# Altium PCB bitfury_power.PcbDoc (part 1 of 2) (continued)
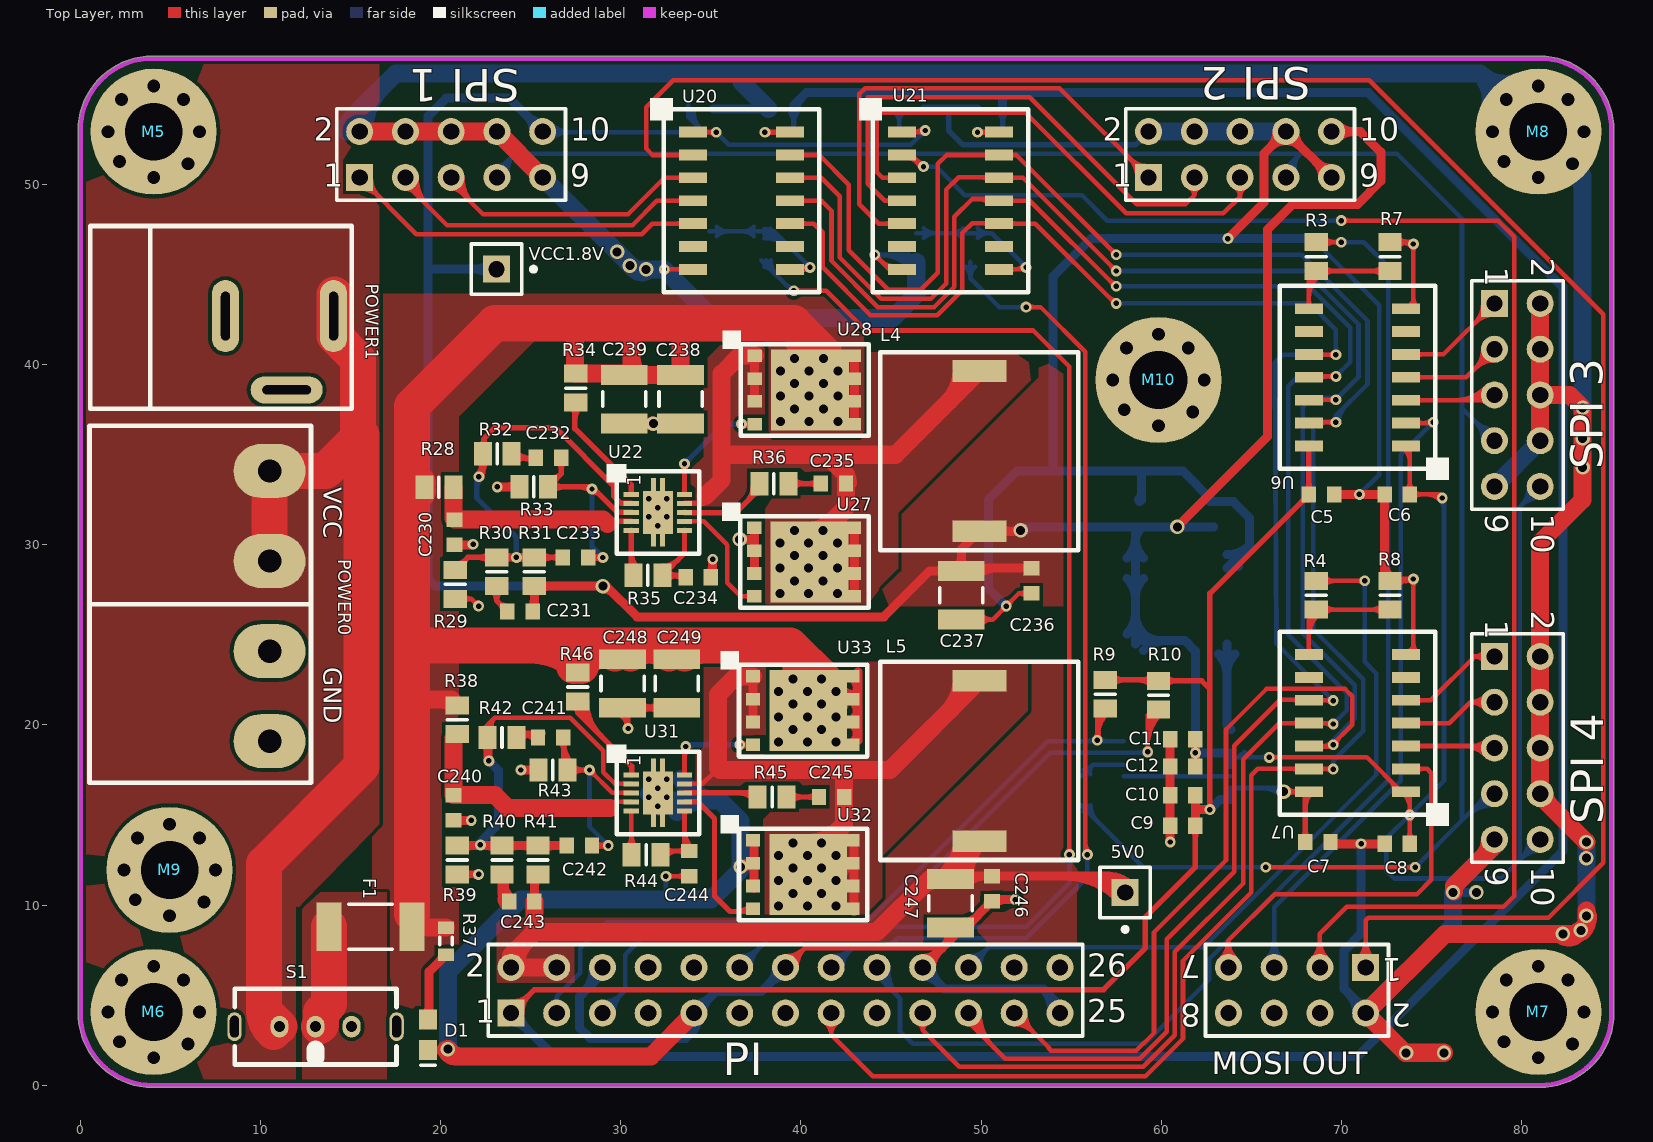
[diagram p0: Top Layer view]
## Nets (pads, with @x,y where several pads share a name; then routed paths per layer and width w, separated by ;. In a path a pad name is that pad's centre, name@x,y a point inside that pad or via, vN(x,y) a via of type N, cw(c..) or ccw(c..) an arc to the next point about the centre after c; other vN are vias at no path point) (continued)
CE2_3V3: PI.18 R3.2 | length 78.7
  Top Layer w0.254: R3.2@68.6,46.8 v2(70,46.8) ; R3.2@69.014,46.536 cw(c69.65,45.9) 69.65,46.8 cw(c69.65,47.7) R3.2@69.014,47.064 ; v2@69.878,46.678 ccw(c69.582,46.382) 69.582,46.8 ccw(c69.582,47.218) v2@69.878,46.922
  Bottom Layer w0.254: PI.18@44.22,5.917 cw(c44.22,5.523) 44.498,5.802 ; PI.18@44.22,6.54 44.22,6.08 45.5,4.8 ; PI.18@44.335,6.534 ccw(c45.555,6.473) 44.691,5.609 ; PI.18@44.589,6.521 ccw(c46.325,6.434) 45.095,5.205 ; PI.18@44.842,6.509 ccw(c47.095,6.395) 45.5,4.8 ; v2(70,46.8) 71.25,46.8 72.6,45.45 72.6,16.933 62.653,6.986 62.653,5.853 59.1,2.3 46.2,2.3 45.5,3 45.5,4.8 ; v2@70.122,46.678 cw(c70.418,46.382) 70.418,46.8 cw(c70.418,47.218) v2@70.122,46.922
CE3_3V3: PI.22 R4.2 | length 47.5
  Top Layer w0.254: R4.2@68.6,28 v2(71.3,28) ; R4.2@69.014,27.736 cw(c69.65,27.099) 69.65,28 cw(c69.65,28.9) R4.2@69.014,28.264 ; v2@71.178,27.878 ccw(c70.882,27.582) 70.882,28 ccw(c70.882,28.418) v2@71.178,28.122
  Bottom Layer w0.254: PI.22@49.3,6.7 PI.22@49.3,6.54 50.41,7.65 62.35,7.65 71.95,17.25 71.95,22.85 71.3,23.5 v2(71.3,28) ; PI.22@49.3,6.909 ccw(c49.3,7.8) 49.93,7.17 ccw(c50.56,6.54) PI.22@49.669,6.54 ; PI.22@49.3,7.163 ccw(c49.3,8.667) 50.364,7.604 ccw(c51.427,6.54) PI.22@49.923,6.54 ; v2@71.178,27.878 cw(c70.882,27.582) 71.3,27.582 cw(c71.718,27.582) v2@71.422,27.878
GND1: "MOSI OUT.2" "MOSI OUT.4" "MOSI OUT.6" "MOSI OUT.8" "SPI 1.2" "SPI 1.4" "SPI 1.6" "SPI 1.8" "SPI 1.9" "SPI 2.2" "SPI 2.4" "SPI 2.6" "SPI 2.8" "SPI 2.9" "SPI 3.2" "SPI 3.4" "SPI 3.6" "SPI 3.8" "SPI 3.9" "SPI 4.2" "SPI 4.4" "SPI 4.6" "SPI 4.8" "SPI 4.9" C1.1 C2.2 C3.1 C4.2 C5.1 C6.2 C7.1 C8.2 C9.1 C10.1 C11.1 C12.1 C13.2 C14.1 C230.1 C234.1 C236.1 C237.1 C238.1 C239.1 C240.1 C244.1 C246.1 C247.1 C248.1 C249.1 D1.2 M5.0 M6.0 M7.0 M8.0 M9.0 M10.0 PI.6 PI.9 PI.14 PI.20 PI.25 POWER0.3 POWER0.4 POWER1.2 POWER1.3 R5.1 R6.1 R7.1 R8.1 R29.1 R33.2 R39.1 R43.2 U2.5 U2.10 U6.7 U7.7 U20.7 U21.7 U22.11 U27.1 U27.2 U27.3 U31.11 U32.1 U32.2 U32.3 XO1.2 | length 596.9
  Top Layer w0.254: D1.2@19.3,1.95 20.35,1.95 v1(20.4,2) ; D1.2@19.564,1.686 cw(c20.2,1.05) 20.2,1.95 cw(c20.2,2.851) D1.2@19.564,2.214 ; D1.2@19.62,1.95 ccw(c19.62,2.78) v1@20.207,2.193 ; D1.2@19.756,1.831 cw(c19.929,1.186) v1@20.263,1.764 ; D1.2@19.77,1.835 ccw(c19.603,2.46) v1@20.164,2.137 ; 19.862,1.95 cw(c19.862,1.462) v1@20.207,1.807 ; 19.917,2.026 ccw(c19.973,2.232) v1@20.16,2.13 ; 19.971,2.012 cw(c19.888,1.705) v1@20.164,1.864 ; R29.1@20.8,27 21.7,27 ; R39.1@20.917,11.7 v2(22.1,11.7) ; R29.1@21.247,26.775 cw(c21.7,26.433) 21.7,27 ; R29.1@21.247,27.225 ccw(c21.7,27.567) 21.7,27 ; R39.1@21.331,11.436 cw(c21.967,10.8) 21.967,11.7 cw(c21.967,12.601) R39.1@21.331,11.964 ; 21.608,11.604 cw(c21.746,11.087) v2@22.013,11.55 ; 21.608,11.796 ccw(c21.746,12.313) v2@22.013,11.85 ; 21.768,11.646 ccw(c21.69,11.937) v2@21.95,11.786 ; 21.768,11.754 cw(c21.69,11.463) v2@21.95,11.614 ; v2@21.927,26.6 ccw(c21.509,26.6) 21.805,26.895 ccw(c22.1,27.191) v2@22.1,26.773 ; v2@21.978,11.578 ccw(c21.682,11.282) 21.682,11.7 ccw(c21.682,12.118) v2@21.978,11.822 ; v2(22.1,26.6) 21.7,27 ; C248.1@29.906,20.574 cw(c29.485,19.762) v2@30.4,19.762 ; C248.1@30.022,20.8 cw(c29.701,20.179) 30.4,20.179 ; v2@30.25,19.886 ccw(c29.918,20.078) 30.289,20.178 ; 30.276,20.224 ccw(c30.712,20.341) v2@30.486,19.95 ; v2@30.278,19.922 ccw(c29.982,20.218) 30.4,20.218 ccw(c30.818,20.218) v2@30.522,19.922 ; v2(30.4,19.8) 30.4,20.65 C248.1@30.1,20.95 C249.1@33.1,20.95 ; C248.1@31.149,20.651 cw(c31.871,19.929) 31.871,20.95 cw(c31.871,21.971) C248.1@31.149,21.249 ; 31.568,20.869 cw(c31.672,20.481) C249.1@32.002,20.709 ; 31.568,21.031 ccw(c31.672,21.419) C249.1@32.002,21.191 ; 31.62,20.883 ccw(c31.466,21.461) C249.1@31.984,21.161 ; 31.62,21.017 cw(c31.466,20.439) C249.1@31.984,20.738 ; C249.1@32.051,20.651 ccw(c31.329,19.929) 31.329,20.95 ccw(c31.329,21.971) C249.1@32.051,21.249 ; v2@32.4,45.3 v2(32.407,45.293) U20.7@34,45.293 ; v2(32.5,11.6) C244.1@33.8,11.6 ; v2@32.529,45.171 cw(c32.825,44.875) 32.825,45.293 cw(c32.825,45.711) v2@32.529,45.415 ; v2@32.622,11.478 cw(c32.918,11.182) 32.918,11.6 ; v2@32.622,11.722 ccw(c32.918,12.018) 32.918,11.6 ; U20.7@33.403,45.171 ccw(c33.107,44.875) 33.107,45.293 ccw(c33.107,45.711) U20.7@33.403,45.415 ; C244.1@33.557,11.407 ccw(c33.091,10.941) 33.091,11.6 ccw(c33.091,12.259) C244.1@33.557,11.793 ; PI.14@39.14,6.54 40.217,7.617 44.666,7.617 44.683,7.6 47.82,7.6 48.02,7.8 ; PI.14@39.14,6.909 ccw(c39.14,7.8) 39.77,7.17 ccw(c40.4,6.54) PI.14@39.509,6.54 ; PI.14@39.14,7.163 ccw(c39.14,8.667) 40.204,7.604 ccw(c41.267,6.54) PI.14@39.763,6.54 ; v2@44.1,45.927 cw(c44.1,45.509) 44.395,45.805 cw(c44.691,46.1) v2@44.273,46.1 ; v2(44.1,46.1) 44.907,45.293 U21.7@45.6,45.293 ; 44.458,45.742 ccw(c45.125,46.41) U21.7@45.125,45.466 ; C237.1@48.9,25.85 50.65,25.85 ; C237.1@49.954,25.555 cw(c50.65,24.88) 50.65,25.85 ; C237.1@49.954,26.145 ccw(c50.65,26.82) 50.65,25.85 ; v2@51.227,26.6 cw(c50.809,26.6) 51.105,26.305 cw(c51.4,26.009) v2@51.4,26.427 ; v2@51.4,26.773 ccw(c51.4,27.191) 51.695,26.895 ccw(c51.991,26.6) v2@51.573,26.6 ; C236.1@52.555,27.109 ccw(c52.1,26.663) 52.1,27.3 ; C236.1@52.555,27.491 cw(c52.1,27.937) 52.1,27.3 ; C236.1@52.8,27.3 52.1,27.3 ; R8.1@72.7,28 72.8,28.1 v2(74,28.1) 74,24.31 ; R7.1@72.7,46.8 73.9,46.8 v2(74,46.7) 74,43.51 ; R8.1@72.934,27.916 cw(c73.379,27.471) 73.379,28.1 ; R8.1@73.114,27.736 cw(c73.992,26.858) v2@73.992,28.1 ; R8.1@73.114,28.264 ccw(c73.509,28.659) 73.509,28.1 ; R7.1@73.114,46.536 cw(c73.75,45.899) 73.75,46.8 cw(c73.75,47.7) R7.1@73.114,47.064 ; R7.1@73.341,46.8 cw(c73.341,46.041) 73.878,46.578 cw(c73.582,46.282) 74,46.282 cw(c74.418,46.282) v2@74.122,46.578 ; 73.53,46.859 cw(c73.394,46.35) v2@73.85,46.614 ; 73.57,46.752 cw(c73.631,46.524) v2@73.844,46.625 ; 73.591,27.993 cw(c73.701,27.582) v2@73.914,27.95 ; U7.7@73.6,23.91 74,24.31 ; U6.7@73.6,43.11 74,43.51 ; 73.601,27.995 ccw(c73.495,28.392) v2@73.85,28.186 ; 73.68,46.819 ccw(c73.759,47.117) v2@73.913,46.85 ; v2@73.878,28.222 cw(c73.582,28.518) 73.582,28.1 cw(c73.582,27.682) 73.878,27.978 cw(c73.582,27.682) 74,27.682 cw(c74.418,27.682) v2@74.122,27.978 ; 74,24.509 ccw(c74.674,24.509) U7.7@74.197,24.032 ; 74,43.709 ccw(c74.674,43.709) U6.7@74.197,43.232 ; U7.7@74.152,24.065 cw(c74.274,24.31) 74,24.31 ; U6.7@74.152,43.265 cw(c74.274,43.51) 74,43.51 ; 50.65,25.85 v2(51.4,26.6) 52.1,27.3
  Top Layer w0.5: C240.1@20.717,14.7 v2(21.7,14.7) ; C230.1@20.762,29.996 21.762,29.996 v2(21.796,30.03) ; v2(23.134,33.216) R33.2@24.366,33.216 ; R33.2@24.189,33.039 ccw(c23.762,32.612) 23.762,33.216 ccw(c23.762,33.82) R33.2@24.189,33.393 ; v2(24.451,17.498) R43.2@25.429,17.498 ; R43.2@25.252,17.321 ccw(c24.825,16.894) 24.825,17.498 ccw(c24.825,18.102) R43.2@25.252,17.675 ; C239.1@30.7,36.732 C238.1@34.002,36.732 ; C239.1@31.148,36.52 cw(c31.66,36.008) 31.66,36.732 cw(c31.66,37.456) C239.1@31.148,36.944 ; C239.1@31.359,36.651 cw(c31.483,36.187) v1@31.725,36.602 ; C239.1@31.359,36.813 ccw(c31.483,37.277) v1@31.725,36.862 ; U31.11@31.571,16.978 U31.11@31.679,17.086 ; C238.1@32.356,36.52 ccw(c31.844,36.008) 31.844,36.732 ccw(c31.844,37.456) C238.1@32.356,36.944 ; C234.1@34.894,28.356 ccw(c34.396,28.854) 35.1,28.854 ; C234.1@35,28.2 35.1,28.3 v2(35.1,29.2) ; v1(36.6,30.3) 37.414,30.3 ; v1@36.748,12.018 cw(c37.139,11.627) U32.2@37.139,12.18 ; v1@36.772,12.049 cw(c37.203,11.8) U32.2@37.074,12.281 ; U32.2@37.213,12.399 cw(c36.698,12.894) v1@36.698,12.18 ; U32.2@37.233,12.245 ccw(c37.007,11.871) v1@36.698,12.18 ; U32.2@37.245,12.238 ccw(c37.027,11.739) v1(36.642,12.124) v1@36.698,12.18 ; U32.3@37.385,10.91 U32.2@37.385,12.18 ; U32.1@37.385,13.45 U32.2@37.385,12.18 ; U27.3@37.414,28.41 U27.2@37.414,29.68 37.414,30.3 ; U27.1@37.414,30.95 37.414,30.3 ; PI.20@46.76,6.54 47.82,7.6 ; PI.20@46.76,7.04 ccw(c46.76,8.247) 47.614,7.394 ccw(c48.467,6.54) PI.20@47.26,6.54 ; C247.1@48.065,8.564 cw(c47.613,8.207) 48.02,7.8 48.3,8.08 ; C247.1@48.1,8.526 cw(c47.702,8.08) 48.3,8.08 ; 48.417,8.197 ccw(c48.057,8.558) C247.1@48.457,8.874 ; C247.1@48.5,8.526 ccw(c48.898,8.08) 48.3,8.08 ; C247.1@49.05,9.05 ccw(c49.05,10.016) 49.733,9.333 ; C247.1@49.25,8.75 C247.1@48.3,8.75 ; C247.1@49.35,8.75 cw(c49.833,8.75) C247.1@49.491,9.091 ; C246.1@50.259,9.859 ccw(c49.917,10.2) C246.1@50.4,10.2 ; C246.1@50.6,10.1 C246.1@50.6,10.2 ; C246.1@50.756,10.094 cw(c51.253,9.597) 51.253,10.3 ; v2(51.9,10.3) 50.7,10.3 C246.1@50.6,10.2 ; v2(60.5,13.5) C9.1@60.5,14.4 C10.1@60.5,16.1 C12.1@60.5,17.7 C11.1@60.5,19.2 ; v2(63.7,47) 65.7,49 65.7,51.72 66.92,52.94 69.46,50.4 ; 66.42,52.94 cw(c65.213,52.94) 66.066,52.086 cw(c66.92,51.233) 66.92,52.44 cw(c66.92,51.233) 67.774,52.086 cw(c68.627,52.94) 67.42,52.94 ; 68.96,50.4 ccw(c67.753,50.4) 68.606,51.254 ccw(c69.46,52.107) 69.46,50.9 ; C7.1@69.4,13.5 69.5,13.4 v2(71.1,13.4) C8.2@72.4,13.4 ; C7.1@69.506,13.556 ccw(c69.883,13.933) 69.883,13.4 ; C5.1@69.6,32.8 v2(71,32.8) C6.2@72.4,32.8 72.4,28.5 R8.1@72.8,28.1 ; 72.4,28.966 ccw(c73.516,28.966) R8.1@72.727,28.177 ; v1@36.698,12.18 U32.2@37.385,12.18 ; 48.3,8.08 C247.1@48.3,8.75 ; C247.1@48.3,8.75 49.15,8.75 C246.1@50.6,10.2
  Top Layer w1: 15.5,52.94 18.04,52.94 20.58,52.94 23.12,52.94 25.66,50.4 ; v1@20.304,1.972 ccw(c20.8,2.117) 20.8,1.6 ; v1@20.329,1.929 ccw(c21.124,2.724) 21.124,1.6 ; v1(20.4,2) 20.8,1.6 ; PI.9@34.06,4 31.66,1.6 20.8,1.6 ; v1(75.7,1.8) v1(73.6,1.8) 73.55,1.8 71.35,4 75.75,8.4 v1(82.3,8.4) v1@83.1,8.4 ; v1@76.25,10.75 76.25,11.05 78.5,13.3 78.5,13.64 ; 77.833,12.633 ccw(c76.826,13.64) 78.25,13.64 ; 81.04,35.78 81.04,38.32 ; 81.04,43.4 81.04,40.86 81.04,38.32 ; 81.29,16.18 ccw(c82.183,16.18) 81.552,15.548 ; v1@82.244,8.317 ccw(c82.622,8.878) v1@83.1,8.4 ; v1@82.3,8.3 ccw(c82.3,9.99) v1@83.495,8.795 ; v1@83.371,8.529 ccw(c82.817,9.083) v1@83.6,9.083 ; v1@83.417,8.717 ccw(c82.734,9.4) v1@83.7,9.4 ; v1@83.6,9.7 83.6,8.9 v1@83.1,8.4 ; v1(83.6,13.5) 81.04,16.06 81.04,16.18 81.04,18.72 81.04,21.26 81.04,23.8 81.04,30.14 83.4,32.5 v1(83.4,34.3) v1(83.4,35.9) v1(83.4,37.6) 82.68,38.32 81.04,38.32
  Bottom Layer w0.254: PI.6@28.98,6.18 PI.6@28.98,6.54 ; v2@32.378,11.478 cw(c32.082,11.182) 32.5,11.182 cw(c32.918,11.182) v2@32.622,11.478 ; v2(32.5,11.6) 32.5,10.4 32.6,10.3 ; v2(44.1,46.1) 46,46.1 R6.1@46.4,45.7 ; v2@44.2,45.958 cw(c44.535,45.481) 44.636,46.056 ; v2@44.222,45.978 cw(c44.518,45.682) 44.518,46.1 cw(c44.518,46.518) v2@44.222,46.222 ; v2@44.242,46.2 ccw(c44.447,46.344) 44.404,46.096 ; v2@44.384,46.1 cw(c44.384,43.834) R6.1@45.986,45.436 ; 44.997,46.1 cw(c44.997,44.447) R6.1@46.166,45.616 ; 45.61,46.1 cw(c45.61,45.06) R6.1@46.345,45.795 ; U2.10@57.93,17.15 60.6,17.15 ; v2@60.378,13.622 ccw(c60.082,13.918) 60.5,13.918 ccw(c60.918,13.918) v2@60.622,13.622 ; v2(60.5,13.5) 60.5,17.05 60.6,17.15 ; U2.5@63.87,17.15 60.6,17.15 ; 68.4,47 72.1,43.3 72.1,33.9 v2(71,32.8) ; v2@71,32.973 ccw(c71,33.391) 71.295,33.095 ccw(c71.591,32.8) v2@71.173,32.8
  Bottom Layer w0.3: 48.2,54.2 48.2,53 49,52.2 58.56,52.2 59.3,52.94
  Bottom Layer w0.5: 27.872,5.072 ccw(c26.404,6.54) PI.6@28.48,6.54 ; PI.6@28.98,6.18 27.7,4.9 27.7,3.2 28.3,2.6 33.6,2.6 ; PI.9@33.666,3.692 cw(c33.017,3.183) 33.6,2.6 ; PI.9@33.781,3.585 cw(c33.426,3.06) 34.06,3.06 ; 33.999,2.999 ccw(c33.465,3.534) PI.9@34.06,4 ; PI.9@34.06,4.5 ccw(c34.06,5.707) 34.914,4.854 ccw(c35.767,4) PI.9@34.56,4 ; PI.9@34.339,3.585 ccw(c34.694,3.06) 34.06,3.06 ; C2.2@35.15,54.2 C1.1@38.2,54.2 ; PI.14@38.64,6.54 cw(c37.433,6.54) 38.286,5.686 cw(c39.14,4.833) PI.14@39.14,6.04 ; PI.14@39.14,6.54 37.8,5.2 35.26,5.2 PI.9@34.06,4 ; PI.20@46.76,6.04 cw(c46.76,4.833) 47.614,5.686 cw(c48.467,6.54) PI.20@47.26,6.54 ; PI.20@46.76,6.54 47.96,5.34 53.46,5.34 ; C4.2@46.85,54.2 48.2,54.2 C3.1@49.8,54.2 ; v2(51.4,26.6) 50.4,27.6 50.4,32.5 52,34.1 54,34.1 ; PI.25@53.885,4.07 ccw(c52.399,4.279) 53.46,5.34 ; PI.25@54.38,4 54.38,4.42 53.46,5.34 ; C13.2@58.744,32.506 ccw(c58.367,32.883) 58.9,32.883 ; C13.2@58.8,32.4 58.9,32.5 58.9,34.1 ; C14.1@62.559,32.741 cw(c62.217,32.4) C14.1@62.7,32.4 ; XO1.2@63.64,28.7 64.9,29.96 ; XO1.2@63.648,29.45 ccw(c63.668,31.191) 64.9,29.96 ; XO1.2@64.29,28.8 cw(c65.618,28.8) 64.679,29.739 ; 68.4,47 v2(63.7,47) 56.1,47 54,44.9 54,34.1 ; 70.397,5.093 cw(c69.305,4) 70.85,4 ; 70.735,4.755 ccw(c71.35,5.369) 71.35,4.5 ; v2(71.1,13.4) 71.1,8.426 70.15,7.476 70.15,5.34 71.35,4.14 71.35,4 ; v1(76.2,10.7) v1(77.5,10.7) ; 33.6,2.6 34.06,3.06 ; 34.06,3.06 PI.9@34.06,4 ; 54,34.1 58.9,34.1 ; 58.9,34.1 61.2,34.1 C14.1@62.9,32.4 64,32.4 64.9,31.5 64.9,29.96
  Bottom Layer w1: 14.75,52.94 cw(c15.916,52.94) 15.092,53.765 ; 15.5,52.94 15.5,54.173 17.5,56.173 36.7,56.173 ; 15.75,52.94 cw(c19.33,52.94) 16.799,55.472 ; v1(20.4,2) 20.4,6.3 24.4,10.3 32.6,10.3 35,10.3 36.642,11.942 v1(36.642,12.124) 36.642,14.658 35.5,15.8 ; 25.66,50.4 v1(29.8,46.26) v1@30.767,45.293 ; v1@30.49,45.57 ccw(c31.4,46.48) v1@31.4,45.193 ; v1@31.451,45.207 cw(c31.164,45.69) v1@30.767,45.293 ; U31.11@31.554,16.178 cw(c31.572,14.887) U31.11@32.485,15.8 ; U31.11@32.246,15.413 ccw(c31.498,15.669) U31.11@32.057,16.228 U31.11@32.485,15.8 ; U31.11@33.118,15.167 cw(c34.645,13.64) 34.645,15.8 ; U31.11@33.336,17.012 ccw(c35.5,18.338) 35.5,15.8 ; C1.1@38.2,54.2 36.7,55.7 36.7,56.173 ; R6.1@46.4,45.7 46.4,43.9 45.1,42.6 35.1,42.6 v2(32.407,45.293) v1(31.4,45.293) v1@30.767,45.293 ; 59.3,52.94 61.84,52.94 64.38,52.94 66.92,52.94 ; 71.35,4 76.2,8.85 v1@76.2,10.646 ; M8.0@78.144,54.034 ccw(c76.29,54.764) 77.699,56.173 ccw(c79.108,57.582) M8.0@79.838,55.728 ; 78.5,33.24 81.04,35.78 ; M8.0@82.746,51.063 cw(c81.166,49.483) 83.4,49.483 ; M8.0@82.809,51.027 cw(c82.624,50.273) 83.4,50.273 ; v1(83.4,37.6) 83.4,50.472 M8.0@80.936,52.936 v3(79.158,54.714) 77.699,56.173 36.7,56.173 ; v1(83.6,9.4) 83.6,11.3 ; 83.6,11.5 v1(83.6,12.6) v1(83.6,13.5) ; U31.11@32.485,15.8 35.5,15.8 ; U31.11@31.916,15.619 cw(c32.352,15.183) 32.352,15.8 ccw(c32.352,15.183) U31.11@31.916,15.619 ; v1@83.371,8.529 ccw(c82.817,9.083) 83.6,9.083 cw(c82.817,9.083) v1@83.371,8.529
  other v1: 83.3,8.6 31.8,36.732 30.5,45.5
  other v2: 32.057,15.478 31.557,15.978 32.057,16.478 31.557,16.978 32.557,16.978 32.057,31.05 31.557,31.55 32.057,32.05 31.557,32.55 32.557,32.55
  other v3: 4.064,1.524 80.936,1.524 5.969,2.286 82.841,2.286 2.159,2.413 79.031,2.413 1.524,4.064 6.604,4.064 78.396,4.064 83.476,4.064 2.286,5.842 5.715,5.842 79.158,5.842 82.587,5.842 4.064,6.604 80.936,6.604 4.95,9.41 6.855,10.172 3.045,10.299 2.41,11.95 7.49,11.95 3.172,13.728 6.601,13.728 4.95,14.49 59.85,36.61 61.755,37.372 57.945,37.499 57.31,39.15 62.39,39.15 58.072,40.928 61.501,40.928 59.85,41.69 4.064,50.396 80.936,50.396 5.969,51.158 82.841,51.158 2.159,51.285 79.031,51.285 1.524,52.936 6.604,52.936 78.396,52.936 83.476,52.936 2.286,54.714 5.715,54.714 82.587,54.714 4.064,55.476 80.936,55.476
  other v4: 32.557,15.978 32.557,31.55
INCLK: "SPI 1.7" "SPI 2.7" "SPI 3.7" "SPI 4.7" R11.1 | length 137.9
  Top Layer w0.254: v2(65.8,12.1) v2(74.1,12.1) ; v2@65.922,11.978 cw(c66.218,11.682) 66.218,12.1 cw(c66.218,12.518) v2@65.922,12.222 ; v2@73.978,11.978 ccw(c73.682,11.682) 73.682,12.1 ccw(c73.682,12.518) v2@73.978,12.222
  Bottom Layer w0.254: 23.12,50.4 23.12,50.72 24.1,51.7 67.7,51.7 ; 23.12,51.023 ccw(c23.12,51.755) 23.637,51.237 ; 23.483,50.468 cw(c24.467,50.651) 23.759,51.359 ; 23.732,50.514 cw(c25.042,50.758) 24.1,51.7 ; R11.1@55.55,15.55 59,12.1 65.5,12.1 ; R11.1@55.7,15.177 cw(c55.7,14.639) 56.081,15.019 ; R11.1@55.819,15.55 ccw(c56.468,15.55) R11.1@56.009,15.091 ; R11.1@56.073,15.55 ccw(c57.336,15.55) 56.443,14.657 ; v2@65.678,11.978 ccw(c65.382,11.682) 65.382,12.1 ccw(c65.382,12.518) v2@65.678,12.222 ; 66.92,50.4 66.92,50.92 67.7,51.7 ; 67.026,50.445 cw(c67.632,50.701) 67.167,51.167 ; 67.26,50.544 cw(c68.007,50.86) 67.433,51.433 ; 67.494,50.643 cw(c68.382,51.018) 67.7,51.7 ; v2(74.1,12.1) 76.7,14.7 ; v2@74.1,12.273 ccw(c74.1,12.691) 74.395,12.395 ccw(c74.691,12.1) v2@74.273,12.1 ; 76.89,14.89 cw(c78.5,13.28) 78.5,15.557 ; 77.324,15.324 cw(c78.5,14.148) 78.5,15.811 ; 77.663,15.663 ccw(c77.146,16.18) 77.877,16.18 ; 77.757,15.757 cw(c78.5,15.015) 78.5,16.065 ; 77.877,35.78 ccw(c76.373,35.78) 77.436,36.844 ccw(c78.5,37.907) 78.5,36.403 ; 78.131,35.78 ccw(c77.24,35.78) 77.87,36.41 ccw(c78.5,37.04) 78.5,36.149 ; 78.5,16.18 78.18,16.18 76.7,14.7 ; 78.68,35.6 78.5,35.78 76.7,37.58 ; 67.7,51.7 73.1,51.7 76.7,48.1 76.7,37.58 ; 76.7,14.7 76.7,37.58
INMISO0: "SPI 1.1" U20.5 | length 24.5
  Top Layer w0.254: 15.5,49.777 cw(c15.5,48.273) 16.564,49.336 cw(c17.627,50.4) 16.123,50.4 ; 15.5,50.031 cw(c15.5,49.14) 16.13,49.77 cw(c16.76,50.4) 15.869,50.4 ; 15.5,50.4 18.65,47.25 31.15,47.25 31.733,47.833 U20.5@34,47.833 ; U20.5@33.403,47.711 ccw(c33.107,47.415) 33.107,47.833 ccw(c33.107,48.251) U20.5@33.403,47.955
INMISO4: "SPI 2.1" U21.5 | length 31.6
  Top Layer w0.254: U21.5@45.003,47.711 ccw(c44.707,47.415) 44.707,47.833 ccw(c44.707,48.251) U21.5@45.003,47.955 ; U21.5@45.6,47.833 44.317,47.833 43.246,48.904 43.246,55.03 43.562,55.346 54.354,55.346 59.3,50.4 59.273,50.373 ; 58.677,50.4 ccw(c57.173,50.4) 58.236,51.464 ccw(c59.3,52.527) 59.3,51.023 ; 58.931,50.4 ccw(c58.04,50.4) 58.67,51.03 ccw(c59.3,51.66) 59.3,50.769
INMISO8: "SPI 3.1" U6.5 | length 10.5
  Top Layer w0.254: U6.5@73.6,40.57 75.67,40.57 78.5,43.4 ; U6.5@74.197,40.448 cw(c74.493,40.152) 74.493,40.57 cw(c74.493,40.988) U6.5@74.197,40.692 ; 77.877,43.4 cw(c76.373,43.4) 77.436,42.336 cw(c78.5,41.273) 78.5,42.777 ; 78.131,43.4 cw(c77.24,43.4) 77.87,42.77 cw(c78.5,42.14) 78.5,43.031
INMISO12: "SPI 4.1" U7.5 | length 7.9
  Top Layer w0.254: U7.5@73.6,21.37 74.97,21.37 77.4,23.8 ; U7.5@74.197,21.248 cw(c74.493,20.952) 74.493,21.37 cw(c74.493,21.788) U7.5@74.197,21.492 ; 77.966,23.48 ccw(c77.4,23.14) 77.4,23.8 ; 77.966,24.12 cw(c77.4,24.46) 77.4,23.8 ; 78.5,23.8 77.4,23.8
INMISO_3V3: PI.21 U6.10 U7.10 U20.10 U21.10 | length 116.9
  Top Layer w0.254: U20.10@39.4,47.833 40.717,47.833 41.2,47.35 41.2,45.4 43.858,42.742 47.576,42.742 48.962,44.128 48.962,47.312 49.5,47.85 50.983,47.85 U21.10@51,47.833 53.017,47.833 57.45,43.4 v2(57.5,43.4) ; U20.10@39.997,47.711 cw(c40.293,47.415) 40.293,47.833 cw(c40.293,48.251) U20.10@39.997,47.955 ; PI.21@49.3,4 49.3,3.5 51.331,1.469 58.811,1.469 60.3,2.958 60.3,8.1 64.052,11.852 64.052,18.852 66.6,21.4 68.17,21.4 U7.10@68.2,21.37 69.53,21.37 v2(69.55,21.35) ; PI.21@49.415,4 ccw(c50.9,4) 49.85,2.95 ; PI.21@49.669,4 ccw(c51.767,4) 50.283,2.517 ; PI.21@49.923,4 ccw(c52.634,4) 50.717,2.083 ; 50.066,47.85 cw(c50.066,47.374) U21.10@50.403,47.711 ; 50.148,47.85 ccw(c50.148,48.21) U21.10@50.403,47.955 ; U21.10@51.597,47.711 cw(c51.893,47.415) 51.893,47.833 cw(c51.893,48.251) U21.10@51.597,47.955 ; 57.119,43.731 ccw(c57.5,44.111) v2@57.5,43.573 ; 57.24,43.61 cw(c57.03,43.4) v2@57.327,43.4 ; 67.235,21.4 cw(c67.235,20.88) U7.10@67.603,21.248 ; 67.38,21.4 ccw(c67.38,21.715) U7.10@67.603,21.492 ; U6.10@68.2,40.57 68.22,40.55 v2(69.7,40.55) ; U7.10@68.797,21.248 cw(c69.093,20.952) 69.093,21.37 cw(c69.093,21.788) U7.10@68.797,21.492 ; U6.10@68.797,40.448 cw(c69.044,40.201) 69.044,40.55 ; U6.10@68.797,40.692 ccw(c69.141,41.036) 69.141,40.55 ; 69.084,21.37 cw(c69.084,20.884) v2@69.428,21.228 ; 69.181,21.37 ccw(c69.181,21.719) v2@69.428,21.472 ; v2@69.578,40.428 ccw(c69.282,40.132) 69.282,40.55 ccw(c69.282,40.968) v2@69.578,40.672
  Bottom Layer w0.254: v2@57.55,43.4 68.25,43.4 69.7,41.95 v2(69.7,40.55) 66.75,40.55 66.3,40.1 66.4,24.5 v2(69.55,21.35) ; v2@57.622,43.278 cw(c57.918,42.982) 57.918,43.4 cw(c57.918,43.818) v2@57.622,43.522 ; v2@69.377,21.35 ccw(c68.959,21.35) 69.255,21.645 ccw(c69.55,21.941) v2@69.55,21.523 ; v2@69.578,40.428 ccw(c69.282,40.132) 69.282,40.55 ccw(c69.282,40.968) 69.578,40.672 ccw(c69.282,40.968) 69.7,40.968 ccw(c70.118,40.968) v2@69.822,40.672
INMOSI0: "SPI 1.3" U20.4 | length 23
  Top Layer w0.254: 18.04,49.777 cw(c18.04,49.094) 18.523,49.577 ; 18.04,50.4 18.04,50.06 20.35,47.75 30.65,47.75 32.003,49.103 U20.4@34,49.103 ; 18.155,50.4 ccw(c19.253,50.4) 18.477,49.623 ; 18.409,50.4 ccw(c20.121,50.4) 18.91,49.19 ; 18.663,50.4 ccw(c20.988,50.4) 19.344,48.756 ; U20.4@33.403,48.981 ccw(c33.107,48.685) 33.107,49.103 ccw(c33.107,49.521) U20.4@33.403,49.225
INMOSI4: "SPI 2.3" U21.4 | length 30.7
  Top Layer w0.254: U21.4@45.003,48.981 ccw(c44.707,48.685) 44.707,49.103 ccw(c44.707,49.521) U21.4@45.003,49.225 ; U21.4@45.6,49.103 44.647,49.103 43.7,50.05 43.7,54.842 52.708,54.842 58.65,48.9 61.35,48.9 61.84,49.39 ; 61.56,49.843 cw(c61.333,49.39) 61.84,49.39 ; 61.84,50.4 61.84,49.39 ; 62.12,49.843 ccw(c62.347,49.39) 61.84,49.39
INMOSI8: "SPI 3.3" U6.4 | length 10
  Top Layer w0.254: U6.4@73.6,39.3 76.94,39.3 78.5,40.86 ; U6.4@74.197,39.178 cw(c74.493,38.882) 74.493,39.3 cw(c74.493,39.718) U6.4@74.197,39.422 ; 77.877,40.86 cw(c76.373,40.86) 77.436,39.796 cw(c78.5,38.733) 78.5,40.237 ; 78.131,40.86 cw(c77.24,40.86) 77.87,40.23 cw(c78.5,39.6) 78.5,40.491
INMOSI12: "SPI 4.3" U7.4 | length 9.2
  Top Layer w0.254: U7.4@73.6,20.1 76,20.1 77.16,21.26 ; U7.4@74.197,19.978 cw(c74.493,19.682) 74.493,20.1 cw(c74.493,20.518) U7.4@74.197,20.222 ; 78.024,20.858 ccw(c77.16,20.131) 77.16,21.26 ; 78.024,21.662 cw(c77.16,22.389) 77.16,21.26 ; 78.218,21.022 ccw(c77.706,20.591) 77.706,21.26 ccw(c77.706,21.929) 78.218,21.498 ; 78.5,21.26 77.16,21.26
INMOSI_3V3: PI.19 U6.11 U7.11 U20.11 U21.11 | length 119.5
  Top Layer w0.254: U20.11@39.4,49.103 41.143,49.103 41.696,48.55 41.696,45.762 44.262,43.196 47.388,43.196 48.508,44.316 48.508,48.208 49.5,49.2 50.903,49.2 U21.11@51,49.103 52.71,49.103 57.463,44.35 v2(57.5,44.35) ; U20.11@39.997,48.981 cw(c40.293,48.685) 40.293,49.103 cw(c40.293,49.521) U20.11@39.997,49.225 ; PI.19@46.506,3.431 cw(c46.332,3.04) 46.76,3.04 ; PI.19@46.76,4 46.76,3.04 ; PI.19@47.014,3.431 ccw(c47.188,3.04) 46.76,3.04 ; 49.873,49.2 cw(c49.873,48.451) U21.11@50.403,48.981 ; U21.11@51.597,48.981 cw(c51.893,48.685) 51.893,49.103 cw(c51.893,49.521) U21.11@51.597,49.225 ; 57.142,44.671 ccw(c57.5,45.029) v2@57.5,44.523 ; 57.231,44.583 cw(c56.998,44.35) v2@57.327,44.35 ; U7.11@67.603,19.978 ccw(c67.307,19.682) 67.307,20.1 ccw(c67.307,20.518) U7.11@67.603,20.222 ; U6.11@68.2,39.3 68.25,39.35 v2(69.7,39.35) ; U7.11@68.797,19.978 cw(c69.093,19.682) 69.093,20.1 cw(c69.093,20.518) U7.11@68.797,20.222 ; U6.11@68.797,39.178 cw(c69.213,38.762) 69.213,39.35 ; U6.11@68.797,39.422 ccw(c68.972,39.597) U6.11@68.972,39.35 ; 69.012,20.1 cw(c69.012,19.512) v2@69.428,19.928 ; 69.253,20.1 ccw(c69.253,20.347) v2@69.428,20.172 ; v2(69.55,20.05) 69.5,20.1 U7.11@68.2,20.1 66.55,20.1 64.546,18.096 64.546,11.196 60.754,7.404 60.754,2.77 58.999,1.015 48.785,1.015 46.76,3.04 ; v2@69.578,39.228 ccw(c69.282,38.932) 69.282,39.35 ccw(c69.282,39.768) v2@69.578,39.472
  Bottom Layer w0.254: v2(57.5,44.35) 68.2,44.35 70.5,42.05 70.5,40.15 v2(69.7,39.35) 67.6,39.35 67.05,38.8 67.05,25 70.3,21.75 70.3,20.8 v2(69.55,20.05) ; v2@57.622,44.228 cw(c57.918,43.932) 57.918,44.35 cw(c57.918,44.768) v2@57.622,44.472 ; v2@69.55,20.223 ccw(c69.55,20.641) 69.845,20.345 ccw(c70.141,20.05) v2@69.723,20.05 ; v2@69.578,39.228 ccw(c69.282,38.932) 69.282,39.35 ccw(c69.282,39.768) v2@69.578,39.472 ; v2@69.7,39.523 ccw(c69.7,39.941) 69.995,39.645 ccw(c70.291,39.35) v2@69.873,39.35
INSCK0: "SPI 1.5" U20.3 | length 20.3
  Top Layer w0.254: 20.58,49.777 cw(c20.58,48.949) 21.166,49.534 ; 20.58,50.4 20.58,50.12 22.35,48.35 30.4,48.35 32.423,50.373 U20.3@34,50.373 ; 20.695,50.4 ccw(c21.649,50.4) 20.974,49.726 ; 20.949,50.4 ccw(c22.516,50.4) 21.408,49.292 ; 21.203,50.4 ccw(c23.383,50.4) 21.842,48.858 ; U20.3@33.403,50.251 ccw(c33.107,49.955) 33.107,50.373 ccw(c33.107,50.791) U20.3@33.403,50.495
INSCK4: "SPI 2.5" U21.3 | length 31.2
  Top Layer w0.254: 44.2,54 44.4,54 ; U21.3@45.003,50.251 ccw(c44.707,49.955) 44.707,50.373 ccw(c44.707,50.791) U21.3@45.003,50.495 ; U21.3@45.6,50.373 44.527,50.373 44.2,50.7 44.2,53.8 44.4,54 ; 64.072,49.858 cw(c63.773,49.33) 64.38,49.33 ; 64.38,50.786 64.38,50.4 64.38,49.33 ; 64.688,49.858 ccw(c64.987,49.33) 64.38,49.33 ; 44.4,54 52.45,54 58.05,48.4 63.45,48.4 64.38,49.33
INSCK8: "SPI 3.5" U6.3 | length 10.5
  Top Layer w0.254: U6.3@73.6,38.03 78.21,38.03 78.5,38.32 ; U6.3@74.197,37.908 cw(c74.493,37.612) 74.493,38.03 cw(c74.493,38.448) U6.3@74.197,38.152 ; 76.296,38.03 ccw(c76.296,40.524) 78.059,38.761 ; 76.909,38.03 ccw(c76.909,39.911) 78.239,38.581 ; 77.522,38.03 ccw(c77.522,39.298) 78.419,38.401 ; 77.696,38.03 cw(c77.696,37.516) 78.059,37.879
INSCK12: "SPI 4.5" U7.3 | length 9
  Top Layer w0.254: U7.3@73.6,18.83 78.39,18.83 78.5,18.72 ; U7.3@74.197,18.708 cw(c74.493,18.412) 74.493,18.83 cw(c74.493,19.248) U7.3@74.197,18.952 ; 76.73,18.83 cw(c76.73,16.95) 78.059,18.279 ; 77.262,18.83 ccw(c77.262,19.958) 78.059,19.161 ; 77.344,18.83 cw(c77.344,17.564) 78.239,18.459